# KiCad board Keyboard.kicad_pcb (continued)
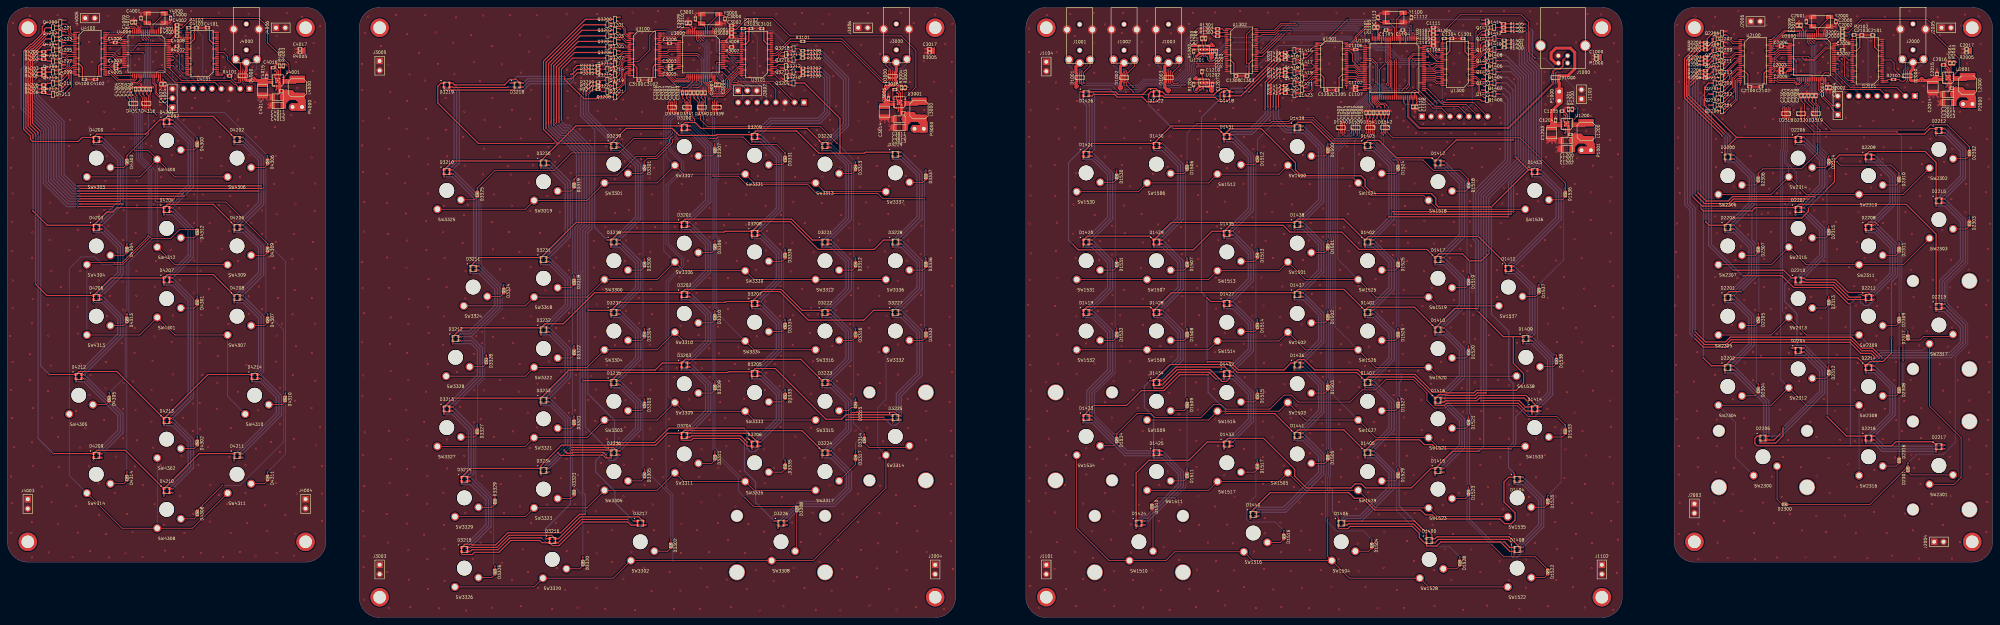
[diagram p0: board, top side]
## Routing (per net, layer and track width the routed paths; a pad name or vN(x,y) marks a point on that pad's centre or on a via; arc(x,y) is an arc through that point) (continued)
  Bottom w0.3: v1(309.5,62.2) 309.5,63.72 316.02,70.25 316.02,76.95 311.77,81.2 v1(309.5,81.2) 309.5,82.72 316.02,89.25 316.02,95.95 311.77,100.2 v1(309.5,100.2) 309.5,101.72 316.02,108.25 316.02,122.05 311.75,126.33 v1(309.5,126.33) ; v1(326.23,64.55) 328.48,64.55 v1(328.5,64.58) ; v1(328.5,64.58) 330.8,64.58 335.02,60.35 335.02,53.65 328.5,47.12 v1(328.5,45.57) ; v1(328.5,64.58) 328.5,66.12 335.02,72.65 335.02,79.35 330.8,83.58 v1(328.5,83.58) 328.5,85.12 335.02,91.65 335.02,98.35 330.8,102.58 v1(328.5,102.58) 328.5,104.12 335.02,110.65 335.02,124.45 330.77,128.7 v1(328.5,128.7) 328.5,130.3 330.27,132.07 335.48,132.07 339.6,136.2 v1(339.6,137.6)
/Keyboard-Right/LED-Matrix-Right/LR11: length 5.7
  Top w0.2: U1301.16 352.75,147.85 351.85,146.95 348.25,146.95 Q1419.1
/Keyboard-Right/LED-Matrix-Right/LR11_X1: length 238.1
  Top w0.3: D1435.3 v1(330.85,103.38) ; D1430.3 v1(311.85,127.12) ; R1410.1 343.15,147.35 340.3,144.5 v1(340.3,138.1) ; D1434.3 v1(311.85,63) 312.52,63.67 312.52,63.75 315.82,67.05 324.73,67.05 327.93,63.85 329.12,63.85 330,64.72 D1432.3 v1(330.85,65.38) ; D1427.3 v1(330.85,84.38) ; D1433.3 v1(330.85,46.38) ; D1428.3 v1(311.85,82) ; D1429.3 v1(311.85,101) ; D1431.3 v1(330.85,129.5)
  Bottom w0.3: v1(311.85,127.12) 311.95,127.12 316.73,122.35 316.73,107.95 311.12,102.35 311.12,101.72 v1(311.85,101) 311.98,101 316.73,96.25 316.73,88.95 311.12,83.35 311.12,82.72 v1(311.85,82) 311.98,82 316.73,77.25 316.73,69.95 311.12,64.35 311.12,63.72 v1(311.85,63) ; v1(330.85,46.38) 330.12,47.1 330.12,47.75 335.73,53.35 335.73,60.65 331,65.38 v1(330.85,65.38) 330.12,66.1 330.12,66.75 335.73,72.35 335.73,79.65 331,84.38 v1(330.85,84.38) 330.12,85.1 330.12,85.75 335.73,91.35 335.73,98.65 331,103.38 v1(330.85,103.38) 330.12,104.1 330.12,104.75 335.73,110.35 335.73,124.75 330.98,129.5 v1(330.85,129.5) 330.07,130.28 330.07,130.88 330.57,131.38 335.77,131.38 340.3,135.9 v1(340.3,138.1)
/Keyboard-Right/LED-Matrix-Right/LR12: length 4.1
  Top w0.2: Q1420.1 350.85,145.35 352.85,147.35 U1301.17
/Keyboard-Right/LED-Matrix-Right/LR12_X1: length 232.6
  Top w0.3: v1(330.85,85.47) D1427.2 ; v1(311.85,102.1) D1429.2 ; R1411.1 343.15,146.35 341,144.2 v1(341,137.6) ; v1(330.85,66.47) D1432.2 328.73,67.75 315.5,67.75 v1(311.85,64.1) D1434.2 ; v1(330.85,130.6) D1431.2 ; v1(330.85,104.47) D1435.2 ; v1(311.85,128.22) D1430.2 ; v1(311.85,83.1) D1428.2 ; v1(330.85,47.47) D1433.2
  Bottom w0.3: v1(330.85,47.47) 336.43,53.05 336.43,60.9 v1(330.85,66.47) 336.43,72.05 336.43,79.9 v1(330.85,85.47) 336.43,91.05 336.43,98.9 v1(330.85,104.47) 336.43,110.05 336.43,125.03 v1(330.85,130.6) 330.93,130.68 336.07,130.68 341,135.6 v1(341,137.6) ; v1(311.85,64.1) 317.43,69.67 317.43,77.53 v1(311.85,83.1) 317.43,88.67 317.43,96.53 v1(311.85,102.1) 317.43,107.67 317.43,122.65 v1(311.85,128.22)
/Keyboard-Right/LED-Matrix-Right/LR13: length 6.3
  Top w0.2: Q1421.1 350.15,143.85 352.65,146.35 U1301.19
/Keyboard-Right/LED-Matrix-Right/LR13_X1: length 170.2
  Top w0.3: v1(347.5,66.95) D1436.4 ; v1(347.5,47.95) D1441.4 ; 344.55,143.85 343.9,143.85 341.8,141.75 v1(341.8,138.1) ; v1(347.5,85.95) D1437.4 ; v1(335.62,26.57) D1440.4 ; v1(347.5,131.07) D1439.4 ; v1(347.5,104.95) D1438.4
  Bottom w0.3: v1(341.8,138.1) 341.8,134.45 345.07,131.18 347.4,131.18 v1(347.5,131.07) 349.8,131.07 354.02,126.85 354.02,113.05 347.5,106.53 v1(347.5,104.95) 349.82,104.95 354.02,100.75 354.02,94.05 347.5,87.53 v1(347.5,85.95) 349.82,85.95 354.02,81.75 354.02,75.05 347.5,68.53 v1(347.5,66.95) 349.82,66.95 354.02,62.75 354.02,56.05 347.5,49.53 v1(347.5,47.95) 349.73,47.95 354.02,43.65 354.02,39.35 344.52,29.85 337.32,29.85 335.62,28.15 v1(335.62,26.57)
/Keyboard-Right/LED-Matrix-Right/LR14: length 6.2
  Top w0.2: Q1422.1 351.65,142.35 352.1,142.8 352.1,145.2 352.75,145.85 U1301.20
/Keyboard-Right/LED-Matrix-Right/LR14_X1: length 160.2
  Top w0.3: D1437.3 v1(349.85,86.75) ; D1441.3 v1(349.85,48.75) ; D1436.3 v1(349.85,67.75) ; D1439.3 v1(349.85,131.88) ; 344.55,142.85 343.85,142.85 342.5,141.5 v1(342.5,137.6) ; D1440.3 v1(337.98,27.38) ; D1438.3 v1(349.85,105.75)
  Bottom w0.3: v1(337.98,27.38) 337.32,28.03 337.32,28.85 337.62,29.15 344.82,29.15 354.73,39.05 354.73,43.95 349.93,48.75 v1(349.85,48.75) 349.12,49.47 349.12,50.15 354.73,55.75 354.73,63.05 350.02,67.75 v1(349.85,67.75) 349.12,68.47 349.12,69.15 354.73,74.75 354.73,82.05 350.02,86.75 v1(349.85,86.75) 349.12,87.47 349.12,88.15 354.73,93.75 354.73,101.05 350.02,105.75 v1(349.85,105.75) 349.12,106.47 349.12,107.15 354.73,112.75 354.73,127.15 350,131.88 v1(349.85,131.88) 345.38,131.88 342.5,134.75 v1(342.5,137.6)
/Keyboard-Right/LED-Matrix-Right/LR15: length 8.1
  Top w0.2: U1301.22 352.75,144.85 352.5,144.6 352.5,142.6 350.75,140.85 Q1423.1
/Keyboard-Right/LED-Matrix-Right/LR15_X1: length 157.4
  Top w0.3: v1(337.98,28.47) D1440.2 ; v1(349.85,106.85) D1438.2 ; v1(349.85,87.85) D1437.2 ; v1(343.2,138.1) 343.2,141.2 343.85,141.85 344.55,141.85 ; v1(349.85,68.85) D1436.2 ; v1(349.85,132.97) 349,132.97 ; v1(349.85,49.85) D1441.2
  Bottom w0.3: v1(337.98,28.47) 345.15,28.47 355.43,38.75 355.43,44.28 v1(349.85,49.85) 355.43,55.43 355.43,63.28 v1(349.85,68.85) 355.43,74.42 355.43,82.28 v1(349.85,87.85) 355.43,93.42 355.43,101.28 v1(349.85,106.85) 355.43,112.42 355.43,127.4 v1(349.85,132.97) 349.45,132.57 345.68,132.57 343.2,135.05 v1(343.2,138.1)
/RX_M1: length 55.9
  Top w0.2: v2(290.1,147.8) 290.1,147.2 290,147.1 D1001.7 D1001.4 290,144.8 290.1,144.7 v2(290.1,144.2) ; U1302.13 328.35,153.2 327.2,152.05 327.2,151.25 325.85,149.9 v2(321.1,149.9)
  Bottom w0.2: v2(321.1,149.9) 320.3,149.9 319.7,149.3 319.7,147.4 316.2,143.9 311.4,143.9 310.8,144.5 307.1,144.5 305.4,142.8 301.6,142.8 301,142.2 299.9,142.2 298.2,143.9 290.4,143.9 v2(290.1,144.2) ; J1001.6 286.65,149.25 287.8,148.1 289.8,148.1 v2(290.1,147.8)
/RX_M2: length 43.7
  Top w0.2: v2(304,142.1) 302.1,144 302.1,144.7 302,144.8 D1002.4 D1002.7 302,147.2 302.1,147.3 v2(302.1,147.8) ; v2(321.5,149.4) 326.05,149.4 327.7,151.05 327.7,151.85 328.55,152.7 U1302.14
  Bottom w0.2: v2(321.5,149.4) 320.8,149.4 320.2,148.8 320.2,147.1 316.5,143.4 311.2,143.4 310.6,144 307.3,144 305.4,142.1 v2(304,142.1) ; v2(302.1,147.8) 301.8,148.1 299.9,148.1 298.65,149.35 J1002.6
/RX_M3: length 28.8
  Top w0.2: U1302.16 328.55,151.7 328.2,151.35 328.2,150.85 326.25,148.9 v2(321.1,148.9) ; v2(314.1,147.8) 314.1,147.3 314,147.2 D1003.7 D1003.4 314,144.8 314.1,144.7 314.1,144.4 314.5,144 v2(317.9,144)
  Bottom w0.2: v2(314.1,147.8) 313.8,148.1 311.9,148.1 310.65,149.35 J1003.6 ; v2(317.9,144) 320.7,146.8 320.7,148.5 v2(321.1,148.9)
/RX_S1: length 18.1
  Top w0.2: v2(511.9,148) 511.9,147.7 512,147.6 D2000.10 D2000.1 511.59,146.01 509.4,148.2 509.4,149.95 508.56,150.79 U2101.13
  Bottom w0.2: J2000.2 517.35,149.95 516,148.6 512.5,148.6 v2(511.9,148)
/RX_S2: length 47.7
  Top w0.2: v2(237.9,147.8) 238,147.7 D3000.10 D3000.1 238,145.6 237.7,145.3 236.5,145.3 225.3,156.5 211.4,156.5 207.45,152.55 U3101.13
  Bottom w0.2: J3000.2 242.85,149.85 241.4,148.4 238.3,148.4 238,148.1 ; 238,148.1 238,147.9 v2(237.9,147.8) ; 238,148.1 238,147.8
/RX_S3: length 20.2
  Top w0.2: v2(62.4,145.1) 62.5,145.2 D4000.1 D4000.10 62.5,147.8 59.4,150.9 59.4,151.8 58.45,152.75 U4101.13
  Bottom w0.2: J4000.2 67.35,148.35 64.6,145.6 62.9,145.6 v2(62.4,145.1)
/TX_M1: length 54.2
  Top w0.2: R1301.2 325.8,159.2 325.6,159.4 321.4,159.4 v2(320.2,158.2) ; J1001.2 292.35,149.15 290.5,147.3 D1001.6 D1001.5 290.5,144.7 v2(290.7,144.5)
  Bottom w0.2: v2(290.7,144.5) 298.6,144.5 299.2,143.9 305.1,143.9 306.8,145.6 315.5,145.6 318.2,148.3 318.2,156.2 v2(320.2,158.2)
/TX_M2: length 42.5
  Top w0.2: v2(320.8,158) 321.7,158.9 325,158.9 325.7,158.2 R1302.2 ; J1002.2 304.35,149.15 302.5,147.3 D1002.6 D1002.5 302.5,144.9 v2(304,143.4)
  Bottom w0.2: v2(320.8,158) 318.7,155.9 318.7,148 315.8,145.1 307,145.1 305.3,143.4 v2(304,143.4)
/TX_M3: length 29.5
  Top w0.2: v2(316,144.5) 314.8,144.5 314.5,144.8 D1003.5 D1003.6 314.5,147.3 316.35,149.15 J1003.2 ; v2(321,157.4) 322,158.4 324.5,158.4 325.7,157.2 R1303.2
  Bottom w0.2: 316.1,144.6 319.2,147.7 319.2,155.6 v2(321,157.4)
/TX_S1: length 9
  Top w0.2: R2101.2 510.75,145.5 511.2,145.05 512.05,145.05 512.5,145.5 D2000.2 D2000.9 512.5,147.7 512.4,147.8 512.4,150.28 J2000.6
/TX_S2: length 34.3
  Top w0.2: J3000.6 237.15,149.35 238.4,148.1 238.4,147.6 238.5,147.5 D3000.9 D3000.2 238.5,145.4 237.8,144.7 236.3,144.7 225.2,155.8 R3101.2
/TX_S3: length 10.5
  Top w0.2: J4000.6 62.9,149.75 62.9,147.7 63,147.6 D4000.9 D4000.2 63,145.3 62.9,145.2 62.9,144.8 62.7,144.6 61.6,144.6 60.5,145.7 R4101.2
USB_SHIELD: length 653.2
  Top w0.2: R1000.1 429.52,150.98 ; 430.25,151.46 v2(430.27,151.48)
  Top w0.4: 429.5,151.98 R1000.1 ; 429.5,151.98 430.02,151.98 v2(430.27,152.23) v2(430.27,150.73) 430.02,150.98 429.52,150.98 429.77,150.98 430.02,151.23 ; 429.5,151.98 429.5,151.75 430.02,151.23 ; 429.5,151.98 429.77,151.98 v2(430.27,151.48) 430.02,151.23
  In2.Cu w0.2: X1001.1 427.4,162.6 283.6,162.6 X1000.1
  In2.Cu w0.3: X1001.1 430.27,159.27 v2(430.27,150.73) 430.27,19.63 432.6,17.3 432.6,7.6 X1002.1 X1003.1 278.1,7.9 278.1,18.5 279.6,20 279.6,143.5 277.5,145.6 277.5,156.5 X1000.1
  In2.Cu w1: 426.5,159.5 426.02,159.02 J1000.5 430.19,154.65 430.27,154.73 ; 426.5,159.5 415.5,159.5 413.98,157.98 J1000.5 ; 426.5,159.5 X1001.1
Net-(D1500-A): length 4.8
  Top w0.2: D1500.2 355.66,124.83 SW1500.2
Net-(D1501-A): length 4.8
  Top w0.2: D1501.2 355.66,98.71 SW1501.2
Net-(D1502-A): length 4.8
  Top w0.2: D1502.2 355.66,79.71 SW1502.2
Net-(D1503-A): length 4.8
  Top w0.2: SW1503.2 355.66,60.71 D1503.2
Net-(D1504-A): length 4.8
  Top w0.2: D1504.2 367.54,17.96 SW1504.2
Net-(D1505-A): length 4.8
  Top w0.2: SW1505.2 355.66,41.71 D1505.2
Net-(D1506-A): length 4.8
  Top w0.2: D1506.2 317.66,120.08 SW1506.2
Net-(D1507-A): length 4.8
  Top w0.2: D1507.2 317.66,93.96 SW1507.2
Net-(D1508-A): length 4.8
  Top w0.2: SW1508.2 317.66,74.96 D1508.2
Net-(D1509-A): length 4.8
  Top w0.2: SW1509.2 317.66,55.96 D1509.2
Net-(D1510-A): length 11.5
  Top w0.2: SW1510.2 309.31,28.99 D1510.2
Net-(D1511-A): length 4.8
  Top w0.2: D1511.2 317.66,36.96 SW1511.2
Net-(D1512-A): length 4.8
  Top w0.2: D1512.2 336.66,122.46 SW1512.2
Net-(D1513-A): length 4.8
  Top w0.2: SW1513.2 336.66,96.33 D1513.2
Net-(D1514-A): length 4.8
  Top w0.2: D1514.2 336.66,77.33 SW1514.2
Net-(D1515-A): length 4.8
  Top w0.2: D1515.2 336.66,58.34 SW1515.2
Net-(D1516-A): length 4.8
  Top w0.2: D1516.2 343.79,20.34 SW1516.2
Net-(D1517-A): length 4.8
  Top w0.2: SW1517.2 336.66,39.34 D1517.2
Net-(D1518-A): length 4.8
  Top w0.2: SW1518.2 393.66,115.33 D1518.2
Net-(D1519-A): length 4.8
  Top w0.2: SW1519.2 393.66,89.21 D1519.2
Net-(D1520-A): length 4.8
  Top w0.2: D1520.2 393.66,70.21 SW1520.2
Net-(D1521-A): length 4.8
  Top w0.2: D1521.2 393.66,51.21 SW1521.2
Net-(D1522-A): length 4.8
  Top w0.2: D1522.2 415.04,10.84 SW1522.2
Net-(D1523-A): length 4.8
  Top w0.2: SW1523.2 393.66,32.21 D1523.2
Net-(D1524-A): length 4.8
  Top w0.2: D1524.2 374.66,120.08 SW1524.2
Net-(D1525-A): length 4.8
  Top w0.2: SW1525.2 374.66,93.96 D1525.2
Net-(D1526-A): length 4.8
  Top w0.2: D1526.2 374.66,74.96 SW1526.2
Net-(D1527-A): length 4.8
  Top w0.2: SW1527.2 374.66,55.96 D1527.2
Net-(D1528-A): length 4.8
  Top w0.2: SW1528.2 391.29,13.21 D1528.2
Net-(D1529-A): length 4.8
  Top w0.2: D1529.2 374.66,36.96 SW1529.2
Net-(D1530-A): length 4.8
  Top w0.2: SW1530.2 298.66,117.71 D1530.2
Net-(D1531-A): length 4.8
  Top w0.2: SW1531.2 298.66,93.96 D1531.2
Net-(D1532-A): length 4.8
  Top w0.2: SW1532.2 298.66,74.96 D1532.2
Net-(D1533-A): length 4.8
  Top w0.2: D1533.2 419.79,48.84 SW1533.2
Net-(D1534-A): length 4.8
  Top w0.2: SW1534.2 298.66,46.46 D1534.2
Net-(D1535-A): length 4.8
  Top w0.2: SW1535.2 415.04,29.84 D1535.2
Net-(D1536-A): length 4.8
  Top w0.2: SW1536.2 419.79,112.96 D1536.2
Net-(D1537-A): length 4.8
  Top w0.2: SW1537.2 412.66,86.83 D1537.2
Net-(D1538-A): length 4.8
  Top w0.2: D1538.2 417.41,67.83 SW1538.2
Net-(D2300-A): length 10.9
  Top w0.2: SW2300.2 477.81,31.99 D2300.2
Net-(D2301-A): length 12.5
  Top w0.2: D2301.2 513.97,38.59 SW2301.2
Net-(D2302-A): length 4.8
  Top w0.2: SW2302.2 528.91,124.08 D2302.2
Net-(D2303-A): length 4.8
  Top w0.2: SW2303.2 528.91,105.08 D2303.2
Net-(D2304-A): length 4.8
  Top w0.2: SW2304.2 471.91,59.96 D2304.2
Net-(D2305-A): length 4.8
  Top w0.2: D2305.2 471.91,78.96 SW2305.2
Net-(D2306-A): length 4.8
  Top w0.2: D2306.2 471.91,116.96 SW2306.2
Net-(D2307-A): length 4.8
  Top w0.2: SW2307.2 471.91,97.96 D2307.2
Net-(D2308-A): length 4.8
  Top w0.2: SW2308.2 509.91,59.96 D2308.2
Net-(D2309-A): length 4.8
  Top w0.2: D2309.2 509.91,78.96 SW2309.2
Net-(D2310-A): length 4.8
  Top w0.2: SW2310.2 509.91,116.96 D2310.2
Net-(D2311-A): length 4.8
  Top w0.2: SW2311.2 509.91,97.96 D2311.2
Net-(D2312-A): length 4.8
  Top w0.2: D2312.2 490.91,64.71 SW2312.2
Net-(D2313-A): length 4.8
  Top w0.2: SW2313.2 490.91,83.71 D2313.2
Net-(D2314-A): length 4.8
  Top w0.2: SW2314.2 490.91,121.71 D2314.2
Net-(D2315-A): length 4.8
  Top w0.2: SW2315.2 490.91,102.71 D2315.2
Net-(D2316-A): length 4.8
  Top w0.2: D2316.2 509.91,40.96 SW2316.2
Net-(D2317-A): length 12.8
  Top w0.2: SW2317.2 524.77,76.05 517.4,76.05 516.4,75.05 D2317.2
Net-(D3300-A): length 4.8
  Top w0.2: D3300.2 171.16,93.96 SW3300.2
Net-(D3301-A): length 4.8
  Top w0.2: SW3301.2 171.16,120.08 D3301.2
Net-(D3302-A): length 4.8
  Top w0.2: SW3302.2 178.28,17.96 D3302.2
Net-(D3303-A): length 4.8
  Top w0.2: SW3303.2 171.16,55.96 D3303.2
Net-(D3304-A): length 4.8
  Top w0.2: SW3304.2 171.16,74.96 D3304.2
Net-(D3305-A): length 4.8
  Top w0.2: D3305.2 171.16,36.96 SW3305.2
Net-(D3306-A): length 4.8
  Top w0.2: SW3306.2 190.16,98.71 D3306.2
Net-(D3307-A): length 4.8
  Top w0.2: D3307.2 190.16,124.83 SW3307.2
Net-(D3308-A): length 10.9
  Top w0.2: D3308.2 213.12,18.4 SW3308.2
Net-(D3309-A): length 4.8
  Top w0.2: D3309.2 190.16,60.71 SW3309.2
Net-(D3310-A): length 4.8
  Top w0.2: SW3310.2 190.16,79.71 D3310.2
Net-(D3311-A): length 4.8
  Top w0.2: SW3311.2 190.16,41.71 D3311.2
Net-(D3312-A): length 4.8
  Top w0.2: SW3312.2 228.16,93.96 D3312.2
Net-(D3313-A): length 4.8
  Top w0.2: D3313.2 228.16,120.08 SW3313.2
Net-(D3314-A): length 12.9
  Top w0.2: SW3314.2 243.07,45.97 232.7,45.97 D3314.2
Net-(D3315-A): length 4.8
  Top w0.2: SW3315.2 227.03,55.96 227.88,56.8 D3315.2
Net-(D3316-A): length 4.8
  Top w0.2: SW3316.2 228.16,74.96 D3316.2
Net-(D3317-A): length 7.4
  Top w0.2: SW3317.2 229,41.4 D3317.2
Net-(D3318-A): length 4.8
  Top w0.2: SW3318.2 152.16,89.21 D3318.2
Net-(D3319-A): length 4.8
  Top w0.2: D3319.2 152.16,115.33 SW3319.2
Net-(D3320-A): length 4.8
  Top w0.2: SW3320.2 154.53,13.21 D3320.2
Net-(D3321-A): length 4.8
  Top w0.2: D3321.2 152.16,51.21 SW3321.2
Net-(D3322-A): length 4.8
  Top w0.2: SW3322.2 152.16,70.21 D3322.2
Net-(D3323-A): length 4.8
  Top w0.2: SW3323.2 152.16,32.21 D3323.2
Net-(D3324-A): length 4.8
  Top w0.2: D3324.2 133.16,86.83 SW3324.2
Net-(D3325-A): length 4.8
  Top w0.2: SW3325.2 126.03,112.96 D3325.2
Net-(D3326-A): length 4.8
  Top w0.2: SW3326.2 130.78,10.84 D3326.2
Net-(D3327-A): length 4.8
  Top w0.2: D3327.2 126.03,48.84 SW3327.2
Net-(D3328-A): length 4.8
  Top w0.2: D3328.2 128.47,67.83 SW3328.2
Net-(D3329-A): length 4.8
  Top w0.2: SW3329.2 130.78,29.84 D3329.2
Net-(D3330-A): length 4.8
  Top w0.2: D3330.2 209.16,96.33 SW3330.2
Net-(D3331-A): length 4.8
  Top w0.2: D3331.2 209.16,122.46 SW3331.2
Net-(D3332-A): length 4.8
  Top w0.2: D3332.2 247.16,74.96 SW3332.2
Net-(D3333-A): length 4.8
  Top w0.2: SW3333.2 209.16,58.34 D3333.2
Net-(D3334-A): length 4.8
  Top w0.2: SW3334.2 209.16,77.33 D3334.2
Net-(D3335-A): length 4.8
  Top w0.2: SW3335.2 209.16,39.34 D3335.2
Net-(D3336-A): length 4.8
  Top w0.2: SW3336.2 247.16,93.96 D3336.2
Net-(D3337-A): length 4.8
  Top w0.2: SW3337.2 247.16,117.71 D3337.2
Net-(D4300-A): length 4.8
  Top w0.2: D4300.2 50.41,126.46 SW4300.2
Net-(D4301-A): length 4.8
  Top w0.2: D4301.2 50.41,83.71 SW4301.2
Net-(D4302-A): length 4.8
  Top w0.2: D4302.2 50.41,45.71 SW4302.2
Net-(D4303-A): length 4.8
  Top w0.2: D4303.2 31.41,121.71 SW4303.2
Net-(D4304-A): length 4.8
  Top w0.2: D4304.2 31.41,97.96 SW4304.2
Net-(D4305-A): length 4.8
  Top w0.2: SW4305.2 26.66,57.59 D4305.2
Net-(D4306-A): length 4.8
  Top w0.2: D4306.2 69.41,121.71 SW4306.2
Net-(D4307-A): length 4.8
  Top w0.2: SW4307.2 69.41,78.96 D4307.2
Net-(D4308-A): length 4.8
  Top w0.2: D4308.2 50.41,26.71 SW4308.2
Net-(D4309-A): length 4.8
  Top w0.2: D4309.2 69.41,97.96 SW4309.2
Net-(D4310-A): length 4.8
  Top w0.2: SW4310.2 74.16,57.59 D4310.2
Net-(D4311-A): length 4.8
  Top w0.2: SW4311.2 69.41,36.21 D4311.2
Net-(D4312-A): length 4.8
  Top w0.2: D4312.2 50.41,102.71 SW4312.2
Net-(D4313-A): length 4.8
  Top w0.2: D4313.2 31.41,78.96 SW4313.2
Net-(D4314-A): length 4.8
  Top w0.2: SW4314.2 31.41,36.21 D4314.2
Net-(L1200-Pad1): length 17.7
  Top w0.3: 426.25,133.25 425.75,133.75 U1200.3 422.5,133.5 ; 426.25,133.25 425.75,132.75 U1200.1 422.5,133 ; 426.25,133.25 U1200.2 ; 422.5,133.5 425,133.5 ; 422.5,133.5 422.5,133 ; 422.5,133 425,133
Net-(L2000-Pad1): length 17.7
  Top w0.3: 525.5,146 U2001.3 528.75,146.25 529.25,145.75 ; 525.5,146 525.5,145.5 ; 525.5,146 528,146 ; 529.25,145.75 U2001.2 ; 529.25,145.75 528.75,145.25 U2001.1 525.5,145.5 ; 525.5,145.5 528,145.5
Net-(L3000-Pad1): length 17.7
  Top w0.3: 242.38,139.32 U3001.3 245.62,139.57 246.12,139.07 ; 242.38,139.32 244.88,139.32 ; 242.38,139.32 242.38,138.82 ; 246.12,139.07 U3001.2 ; 246.12,139.07 245.62,138.57 U3001.1 242.38,138.82 ; 242.38,138.82 244.88,138.82
Net-(L4000-Pad1): length 17.7
  Top w0.3: 74.5,144.75 U4001.1 77.75,144.5 78.25,145 ; 74.5,144.75 74.5,145.25 ; 74.5,144.75 77,144.75 ; 74.5,145.25 77,145.25 ; 74.5,145.25 U4001.3 77.75,145.5 78.25,145 ; 78.25,145 U4001.2
Net-(Q1409-D): length 1.8
  Top w0.2: Q1409.3 403.2,153.6 403.7,154.1
Net-(Q1410-D): length 3.6
  Top w0.2: 403.7,155.1 Q1410.3
Net-(Q1411-D): length 1.8
  Top w0.2: Q1411.3 403.2,156.6 403.7,156.1
Net-(Q1412-D): length 3.6
  Top w0.2: 403.5,158.55 403,158.05 Q1412.3
Net-(Q1413-D): length 1.4
  Top w0.2: Q1413.3 403.5,159.55
Net-(Q1414-D): length 3.6
  Top w0.2: 403.5,160.55 403,161.05 Q1414.3
Net-(Q1415-D): length 1.6
  Top w0.2: 345.45,152.85 345.95,153.35 Q1415.3
Net-(Q1416-D): length 3.4
  Top w0.2: 345.45,151.85 Q1416.3
Net-(Q1417-D): length 1.6
  Top w0.2: Q1417.3 345.95,150.35 345.45,150.85
Net-(Q1418-D): length 3.6
  Top w0.2: Q1418.3 345.95,148.85 345.45,148.35
Net-(Q1419-D): length 1.4
  Top w0.2: 345.45,147.35 Q1419.3
Net-(Q1420-D): length 3.6
  Top w0.2: 345.45,146.35 345.95,145.85 Q1420.3
Net-(Q1421-D): length 1.6
  Top w0.2: 345.45,143.85 345.95,144.35 Q1421.3
Net-(Q1422-D): length 3.4
  Top w0.2: 345.45,142.85 Q1422.3
Net-(Q1423-D): length 1.6
  Top w0.2: 345.45,141.85 345.95,141.35 Q1423.3
Net-(Q2206-D): length 5
  Top w0.3: R2200.2 458.94,156.54 460.44,158.04 Q2206.3
Net-(Q2207-D): length 2.8
  Top w0.3: Q2207.3 460.29,155.54 459.29,154.54 458.89,154.54
Net-(Q2208-D): length 4
  Top w0.3: 458.89,153.54 459.29,153.54 460.79,155.04 Q2208.3
Net-(Q2209-D): length 2.6
  Top w0.3: Q2209.3 460.29,152.94 458.89,151.54
Net-(Q2210-D): length 4
  Top w0.3: 458.89,150.54 459.29,150.54 460.79,152.04 Q2210.3
Net-(Q2211-D): length 1.8
  Top w0.3: 458.89,149.54 459.29,149.54 Q2211.3
Net-(Q2212-D): length 3.9
  Top w0.3: Q2212.3 459.99,149.04 458.89,147.94
Net-(Q2213-D): length 1.7
  Top w0.3: 458.89,146.94 459.69,146.94 Q2213.3
Net-(Q2214-D): length 3.4
  Top w0.3: Q2214.3 458.99,146.04 458.89,145.94
Net-(Q3210-D): length 3.7
  Top w0.2: Q3210.3 213.85,146.05 214.35,146.55
Net-(Q3211-D): length 1.5
  Top w0.2: Q3211.3 214.35,147.55
Net-(Q3212-D): length 3.7
  Top w0.2: 214.35,148.55 213.85,149.05 Q3212.3
Net-(Q3213-D): length 3.7
  Top w0.2: 159.9,149.3 160.4,149.8 Q3213.3
Net-(Q3214-D): length 1.5
  Top w0.2: 159.9,148.3 Q3214.3
Net-(Q3215-D): length 3.7
  Top w0.2: Q3215.3 160.4,146.8 159.9,147.3
Net-(Q3216-D): length 1.6
  Top w0.2: 214.3,151.3 213.8,150.8 Q3216.3
Net-(Q3217-D): length 3.4
  Top w0.2: Q3217.3 214.3,152.3
Net-(Q3218-D): length 1.6
  Top w0.2: Q3218.3 213.8,153.8 214.3,153.3
Net-(Q3219-D): length 1.7
  Top w0.2: 159.9,144.8 160.4,145.3 Q3219.3
Net-(Q3220-D): length 3.5
  Top w0.2: Q3220.3 159.9,143.8
Net-(Q3221-D): length 1.7
  Top w0.2: Q3221.3 160.4,142.3 159.9,142.8
Net-(Q4205-D): length 1.6
  Top w0.3: R4200.2 10.8,153.5 Q4205.3
Net-(Q4206-D): length 3.3
  Top w0.3: 10.25,152 13.55,152
Net-(Q4207-D): length 1.6
  Top w0.3: R4202.2 10.8,150.5 Q4207.3
Net-(Q4208-D): length 3.6
  Top w0.3: R4203.2 10.8,149 Q4208.3
Net-(Q4209-D): length 1.4
  Top w0.3: Q4209.3 R4204.2
Net-(Q4210-D): length 3.6
  Top w0.3: R4205.2 10.8,146 Q4210.3
Net-(Q4211-D): length 1.6
  Top w0.3: R4206.2 10.8,144.5 Q4211.3
Net-(Q4212-D): length 3.4
  Top w0.3: Q4212.3 R4207.2
Net-(Q4213-D): length 1.6
  Top w0.3: R4208.2 10.8,141.5 Q4213.3
Net-(U1100-BOOT0): length 7.3
  Top w0.2: U1100.94 v2(383.65,151.6) ; 384.55,156.6 384.2,156.6 v2(383.05,155.45)
  Bottom w0.2: v2(383.65,151.6) 383.65,153.75 383.05,154.35 v2(383.05,155.45)
Net-(U1100-PH0-OSC_IN): length 10.3
  Top w0.2: U1100.12 375,161.7 Y1100.1 378.3,163.55 379.05,162.8
Net-(U1100-PH1-OSC_OUT): length 8.3
  Top w0.2: U1100.13 374.5,159.5 373.05,160.95 Y1100.3 370.8,160.95 370.05,161.7
Net-(U1100-VCAP_1): length 2
  Top w0.2: 364.55,143.6 U1100.48
Net-(U1100-VCAP_2): length 2
  Top w0.2: 379.5,138.65 U1100.73
Net-(U1200-FB): length 3.1
  Top w0.2: U1200.5 421.75,136.7 R1201.1 R1200.2
Net-(U1200-FSW): length 82.2
  Top w0.3: 424.75,129.75 424,130.5 422.55,130.5 ; 427.75,128.75 427.75,129.25 427.3,129.7 426.25,129.7 ; 427.75,128.75 427.75,128.5 ; 427.75,128.75 424.25,128.75 424.12,128.88 427.88,128.88 428,129 ; 427.75,128.75 428,129 ; U1200.7 420.75,135.7 420.45,136 v1(420.25,136) ; 426.25,129.7 426.25,129.25 ; 426.25,129.7 425.95,129.7 ; 426.25,129.7 426.25,128.5 ; 424.25,128.5 427.75,128.5 ; 424.25,128.5 425.5,129.75 ; 424.25,128.5 422.55,126.8 422.55,130.5 ; 427.75,128.5 428,128.75 428,129 ; 422.55,130.5 422.75,130.5 v1(423.25,131) ; 422.55,130.5 422.55,130.45 ; 425.95,129.7 424.75,128.5 ; 425.95,129.7 425.5,129.25 425.5,128.5 ; v1(420.5,131) 420.75,131.25 U1200.14 ; R1200.1 422.85,137.95 v1(423.2,137.6) ; 427,128.5 427,129.25
  Top w0.5: 424.95,130.5 424.8,130.65 C1200.1 422.9,130.25 424.7,130.25 424.95,130.5 ; 424.95,130.5 L1200.2 ; 424.75,129.5 422.75,127.5 422.75,130 423.75,130 424.25,129.5 423,128.25 423,129.75 423.5,129.75 423.75,129.5 423.25,129 423.25,129.5 ; C1202.1 422.5,130.25 ; 422.55,130.45 422.75,130.25
  Top w2: 424.07,129.78 423.3,129 C1201.1 ; P1001.1 427.55,127.91 L1200.2
  In2.Cu w0.3: v1(423.2,137.6) 423.2,137.25 421.95,136 v1(420.25,136) 419.75,135.5 419.75,131.75 v1(420.5,131) v1(423.25,131) 423.85,131 427.55,127.31 P1001.1
Net-(U1200-SS/TR): length 2.6
  Top w0.2: U1200.9 419.2,134.55 419.2,136.75
Net-(U1201-CT1): length 1.5
  Top w0.2: U1201.12 322.6,155.95 322.5,156.05
Net-(U1201-CT2): length 1.5
  Top w0.2: U1201.10 323.4,155.95 323.5,156.05
Net-(U1202-CT1): length 1.5
  Top w0.2: U1202.12 322.6,146.95 322.5,147.05
Net-(U1302-1B1): length 2.1
  Top w0.2: R1301.1 328,159.2 328.5,158.7 U1302.2
Net-(U1302-1B2): length 1.9
  Top w0.2: U1302.3 R1302.1
Net-(U1302-1B3): length 1.9
  Top w0.2: U1302.5 R1303.1
Net-(U2000-BOOT0): length 2
  Top w0.2: 494.99,153.54 494.74,153.29 U2000.60
Net-(U2000-PH0-OSC_IN): length 7.8
  Top w0.2: 493.69,161.79 493.44,162.04 491.69,162.04 488.94,159.29 U2000.5
Net-(U2000-PH1-OSC_OUT): length 4.6
  Top w0.2: 485.84,160.34 486.94,160.34 488.44,158.84 U2000.6
Net-(U2000-VCAP_1): length 2
  Top w0.2: C2003.2 479.89,148.79 U2000.30
Net-(U2001-FB): length 3.1
  Top w0.2: R2003.2 R2004.1 524.75,149.2 U2001.5
Net-(U2001-FSW): length 82.3
  Top w0.3: 531,141.5 530.88,141.38 527.12,141.38 527.25,141.25 530.75,141.25 ; 531,141.5 531,141.25 530.75,141 ; 531,141.5 530.75,141.25 ; 529.25,142.2 530.3,142.2 530.75,141.75 530.75,141.25 ; 529.25,142.2 529.25,141 ; 529.25,142.2 529.25,141.75 ; 529.25,142.2 528.95,142.2 ; v1(526.25,143.5) 525.75,143 525.55,143 ; v1(523.25,148.5) 523.45,148.5 523.75,148.2 U2001.7 ; 528.5,141 528.5,141.75 528.95,142.2 ; R2003.1 525.95,150.45 v1(526.2,150.2) ; 530.75,141.25 530.75,141 ; 530,141 530,141.75 ; U2001.14 523.75,143.75 v1(523.5,143.5) ; 528.5,142.25 527.25,141 ; 530.75,141 527.25,141 ; 527.25,141 525.55,139.3 525.55,143 ; 525.55,143 525.55,142.95 ; 525.55,143 527,143 527.75,142.25 ; 528.95,142.2 527.75,141
  Top w0.5: 525.55,142.95 525.75,142.75 ; C2012.1 525.5,142.75 ; 526.25,142 526.25,141.5 526.75,142 526.5,142.25 526,142.25 526,140.75 527.25,142 526.75,142.5 525.75,142.5 525.75,140 527.75,142 ; 527.95,143 527.7,142.75 525.9,142.75 C2011.1 527.8,143.15 527.95,143 ; 527.95,143 L2000.2
  Top w2: P2000.1 530.54,140.41 L2000.2 ; C2013.1 526.27,142.28 526.98,142.28
  In2.Cu w0.3: P2000.1 530.54,140 527.05,143.5 v1(526.25,143.5) v1(523.5,143.5) 522.75,144.25 522.75,148 v1(523.25,148.5) 524.95,148.5 526.2,149.75 v1(526.2,150.2)
